# KiCad board ddr4-datacenter-tester.kicad_pcb (continued)
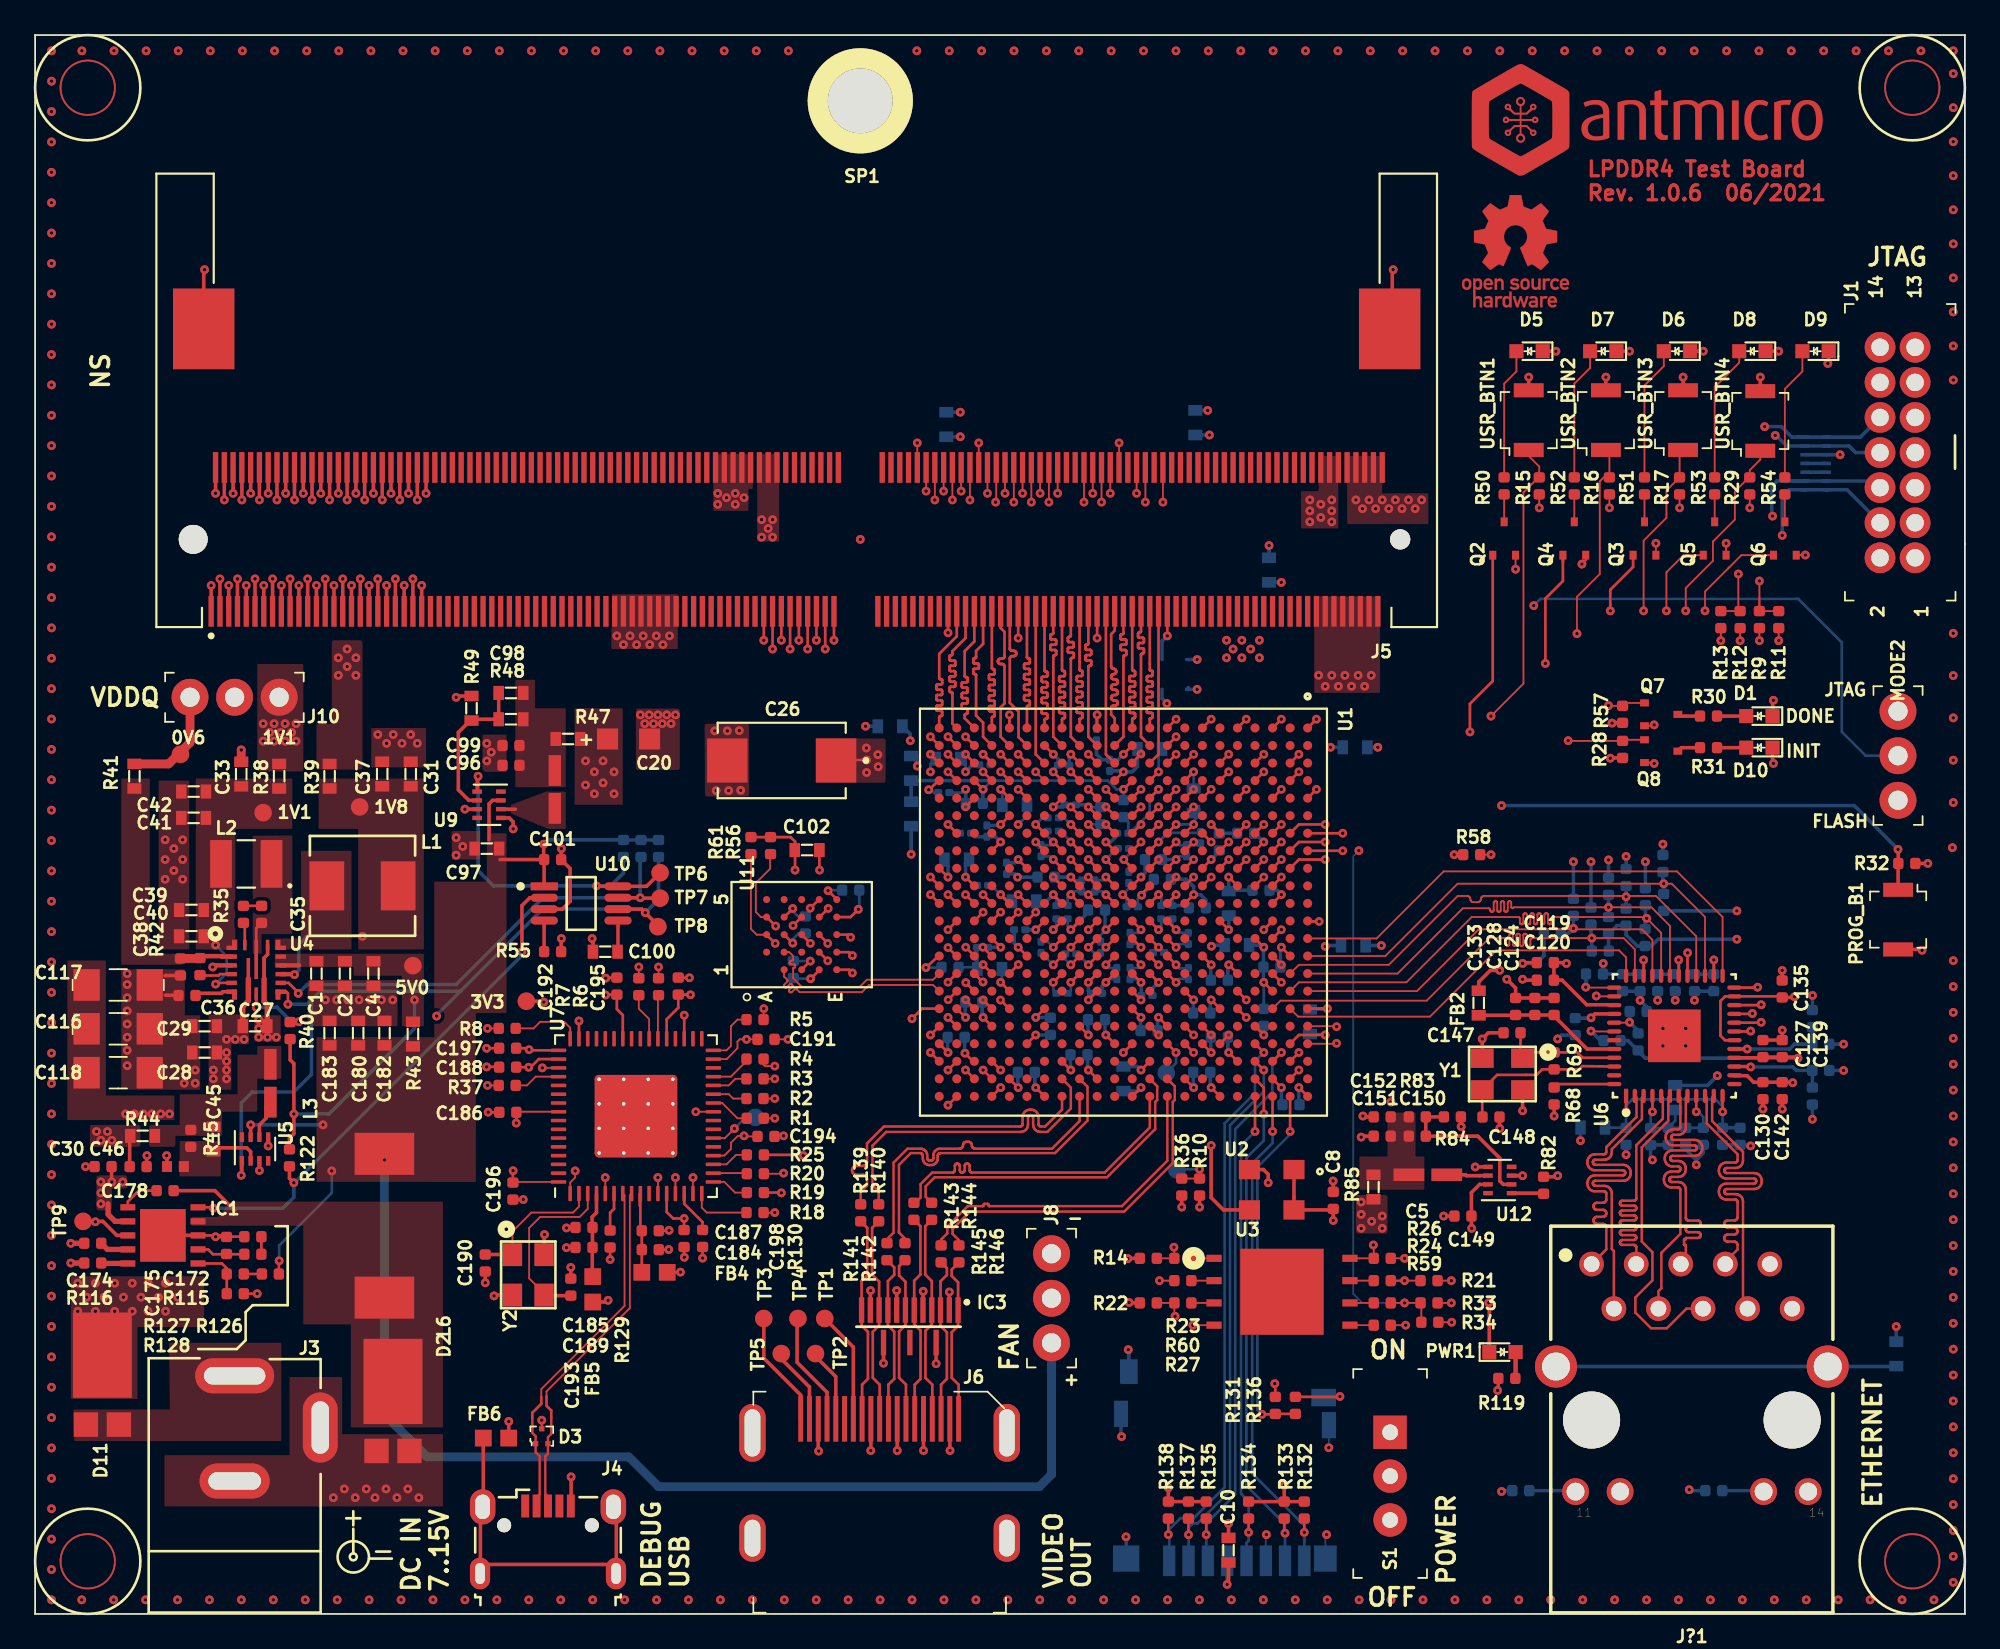
[diagram p0: board, top side]
## Routing (per net, layer and track width the routed paths; a pad name or vN(x,y) marks a point on that pad's centre or on a via; arc(x,y) is an arc through that point) (continued)
CA3_A: length 19.2
  Top w0.1: J5.160 v4(51.79,64)
  Top w0.15: U1.AA3 v4(52.04,49)
  In2.Cu w0.1: v4(51.79,64) 51.79,62.93 51.39,62.53 51.39,53.63 51.38,53.61 51.38,53.59 51.36,53.57 51.35,53.55 51.33,53.54 51.31,53.53 51.29,53.53 51.26,53.53 51.24,53.53 51.22,53.52 51.2,53.51 51.18,53.49 51.17,53.47 51.16,53.45 51.16,53.43 51.16,53.41 51.17,53.39 51.18,53.37 51.2,53.35 51.22,53.34 51.24,53.33 51.26,53.33 51.51,53.33 51.54,53.33 51.56,53.32 51.58,53.31 51.59,53.29 51.6,53.27 51.61,53.25 51.61,53.23 51.61,53.21 51.6,53.19 51.59,53.17 51.58,53.15 51.56,53.14 51.54,53.13 51.51,53.13 51.26,53.13 51.24,53.13 51.22,53.12 51.2,53.11 51.18,53.09 51.17,53.07 51.16,53.05 51.16,53.03 51.16,53.01 51.17,52.99 51.18,52.97 51.2,52.95 51.22,52.94 51.24,52.93 51.26,52.93 51.51,52.93 51.54,52.93 51.56,52.92 51.58,52.91 51.59,52.89 51.6,52.87 51.61,52.85 51.61,52.83 51.61,52.81 51.6,52.79 51.59,52.77 51.58,52.75 51.56,52.74 51.54,52.73 51.51,52.73 51.26,52.73 51.24,52.73 51.22,52.72 51.2,52.71 51.18,52.69 51.17,52.67 51.16,52.65 51.16,52.63 51.16,52.61 51.17,52.59 51.18,52.57 51.2,52.55 51.22,52.54 51.24,52.53 51.26,52.53 51.29,52.53 51.31,52.53 51.33,52.52 51.35,52.51 51.36,52.49 51.38,52.47 51.38,52.45 51.39,52.43 51.39,51.53 52.04,50.88 v4(52.04,49)
CA4_A: length 19.2
  Top w0.1: J5.158 v4(51.29,63.5)
  Top w0.15: U1.AB3 v4(51.04,49)
  In2.Cu w0.1: v4(51.04,49) 51.54,49.5 51.54,50.48 50.69,51.33 50.69,53.83 50.69,53.85 50.7,53.87 50.71,53.89 50.72,53.91 50.74,53.92 50.76,53.93 50.79,53.93 50.81,53.93 50.83,53.93 50.86,53.94 50.87,53.95 50.89,53.97 50.9,53.99 50.91,54.01 50.91,54.03 50.91,54.05 50.9,54.07 50.89,54.09 50.87,54.11 50.86,54.12 50.83,54.13 50.81,54.13 50.56,54.13 50.54,54.13 50.52,54.14 50.5,54.15 50.48,54.17 50.47,54.19 50.46,54.21 50.46,54.23 50.46,54.25 50.47,54.27 50.48,54.29 50.5,54.31 50.52,54.32 50.54,54.33 50.56,54.33 50.81,54.33 50.83,54.33 50.86,54.34 50.87,54.35 50.89,54.37 50.9,54.39 50.91,54.41 50.91,54.43 50.91,54.45 50.9,54.47 50.89,54.49 50.87,54.51 50.86,54.52 50.83,54.53 50.81,54.53 50.56,54.53 50.54,54.53 50.52,54.54 50.5,54.55 50.48,54.57 50.47,54.59 50.46,54.61 50.46,54.63 50.46,54.65 50.47,54.67 50.48,54.69 50.5,54.71 50.52,54.72 50.54,54.73 50.56,54.73 50.59,54.73 50.61,54.73 50.63,54.74 50.65,54.75 50.66,54.77 50.68,54.79 50.68,54.81 50.69,54.83 50.69,62.9 v4(51.29,63.5)
CA5_A: length 19.2
  Top w0.1: J5.156 v4(50.79,64)
  Top w0.15: U1.AB2 v4(51.04,50)
  In2.Cu w0.1: v4(51.04,50) 49.99,51.05 49.99,52.18 49.99,52.2 50,52.22 50.01,52.24 50.02,52.26 50.04,52.27 50.06,52.28 50.09,52.28 50.14,52.28 50.16,52.28 50.18,52.29 50.2,52.3 50.21,52.32 50.23,52.34 50.23,52.36 50.24,52.38 50.23,52.4 50.23,52.42 50.21,52.44 50.2,52.46 50.18,52.47 50.16,52.48 50.14,52.48 49.84,52.48 49.81,52.48 49.79,52.49 49.77,52.5 49.76,52.52 49.75,52.54 49.74,52.56 49.74,52.58 49.74,52.6 49.75,52.62 49.76,52.64 49.77,52.66 49.79,52.67 49.81,52.68 49.84,52.68 50.14,52.68 50.16,52.68 50.18,52.69 50.2,52.7 50.21,52.72 50.23,52.74 50.23,52.76 50.24,52.78 50.23,52.8 50.23,52.82 50.21,52.84 50.2,52.86 50.18,52.87 50.16,52.88 50.14,52.88 49.84,52.88 49.81,52.88 49.79,52.89 49.77,52.9 49.76,52.92 49.75,52.94 49.74,52.96 49.74,52.98 49.74,53 49.75,53.02 49.76,53.04 49.77,53.06 49.79,53.07 49.81,53.08 49.84,53.08 50.14,53.08 50.16,53.08 50.18,53.09 50.2,53.1 50.21,53.12 50.23,53.14 50.23,53.16 50.24,53.18 50.23,53.2 50.23,53.22 50.21,53.24 50.2,53.26 50.18,53.27 50.16,53.28 50.14,53.28 49.84,53.28 49.81,53.28 49.79,53.29 49.77,53.3 49.76,53.32 49.75,53.34 49.74,53.36 49.74,53.38 49.74,53.4 49.75,53.42 49.76,53.44 49.77,53.46 49.79,53.47 49.81,53.48 49.84,53.48 49.89,53.48 49.91,53.48 49.93,53.49 49.95,53.5 49.96,53.52 49.98,53.54 49.98,53.56 49.99,53.58 49.99,63.2 v4(50.79,64)
CA_0A: length 19.2
  Top w0.1: 62.79,65.23 v4(62.79,63.88)
  Top w0.15: 62.54,48.52 v4(63.04,49.02)
  In2.Cu w0.1: v4(62.79,63.88) 62.59,63.68 62.59,51.33 62.58,51.31 62.58,51.29 62.56,51.27 62.55,51.25 62.53,51.24 62.51,51.23 62.49,51.23 62.46,51.23 62.44,51.23 62.42,51.22 62.4,51.21 62.39,51.19 62.37,51.17 62.37,51.15 62.36,51.13 62.37,51.11 62.37,51.09 62.39,51.07 62.4,51.05 62.42,51.04 62.44,51.03 62.46,51.03 62.71,51.03 62.73,51.03 62.75,51.02 62.77,51.01 62.79,50.99 62.8,50.97 62.81,50.95 62.81,50.93 62.81,50.91 62.8,50.89 62.79,50.87 62.77,50.85 62.75,50.84 62.73,50.83 62.71,50.83 62.46,50.83 62.44,50.83 62.42,50.82 62.4,50.81 62.39,50.79 62.37,50.77 62.37,50.75 62.36,50.73 62.37,50.71 62.37,50.69 62.39,50.67 62.4,50.65 62.42,50.64 62.44,50.63 62.46,50.63 62.71,50.63 62.73,50.63 62.75,50.62 62.77,50.61 62.79,50.59 62.8,50.57 62.81,50.55 62.81,50.53 62.81,50.51 62.8,50.49 62.79,50.47 62.77,50.45 62.75,50.44 62.73,50.43 62.71,50.43 62.46,50.43 62.44,50.43 62.42,50.42 62.4,50.41 62.39,50.39 62.37,50.37 62.37,50.35 62.36,50.33 62.37,50.31 62.37,50.29 62.39,50.27 62.4,50.25 62.42,50.24 62.44,50.23 62.46,50.23 62.71,50.23 62.73,50.23 62.75,50.22 62.77,50.21 62.79,50.19 62.8,50.17 62.81,50.15 62.81,50.13 62.81,50.11 62.8,50.09 62.79,50.07 62.77,50.05 62.75,50.04 62.73,50.03 62.71,50.03 62.69,50.03 62.66,50.03 62.64,50.02 62.62,50.01 62.61,49.99 62.6,49.97 62.59,49.95 62.59,49.93 62.59,49.47 v4(63.04,49.02)
CA_1A: length 19.2
  Top w0.1: 63.29,65.23 v4(63.29,63.38)
  Top w0.15: v4(63.04,47.01) 62.54,46.51 U1.L5
  In2.Cu w0.1: v4(63.29,63.38) 63.29,49.83 63.53,49.59 63.53,47.5 v4(63.04,47.01)
CCLK: length 41.1
  Top w0.1: R34.1 79.01,17.69 78.97,17.73 v3(78.06,17.73) R24.2
  Top w0.15: U1.G7 v4(67.04,44)
  In2.Cu w0.1: v3(75.46,43.51) 74.99,43.04 74.25,43.04 73.79,43.5 67.54,43.5 v4(67.04,44)
  Bottom w0.1: v3(75.46,43.51) 75.14,43.19 75.14,18.24 75.65,17.73 v3(78.06,17.73)
CFGBVS: length 24.3
  Top w0.1: R58.2 v3(80.89,43.28)
  Top w0.15: U1.M7 v4(61.04,45)
  In2.Cu w0.1: v4(61.04,45) 64.54,41.5 66.24,41.5 67.54,40.2 77.1,40.2 80.18,43.28 v3(80.89,43.28)
CK_CA: length 19.2
  Top w0.1: J5.164 v4(52.79,64)
  Top w0.15: U1.Y2 v4(53.04,50)
  In2.Cu w0.1: v4(53.04,50) 53.04,51.58 53.03,51.61 53.03,51.63 53.01,51.65 52.99,51.67 52.97,51.68 52.95,51.69 52.92,51.69 52.79,51.69 52.77,51.7 52.75,51.7 52.72,51.72 52.71,51.73 52.69,51.76 52.69,51.78 52.68,51.8 52.69,51.83 52.69,51.85 52.71,51.88 52.72,51.89 52.75,51.91 52.77,51.91 52.79,51.92 52.92,51.92 52.95,51.92 52.97,51.93 52.99,51.94 53.01,51.96 53.03,51.98 53.03,52 53.04,52.03 53.03,52.06 53.03,52.08 53.01,52.1 52.99,52.12 52.97,52.13 52.95,52.14 52.92,52.14 52.79,52.14 52.77,52.15 52.75,52.15 52.72,52.17 52.71,52.18 52.69,52.21 52.69,52.23 52.68,52.25 52.69,52.28 52.69,52.3 52.71,52.33 52.72,52.34 52.75,52.36 52.77,52.36 52.79,52.37 52.92,52.37 52.95,52.37 52.97,52.38 52.99,52.39 53.01,52.41 53.03,52.43 53.03,52.45 53.04,52.48 53.03,52.51 53.03,52.53 53.01,52.55 52.99,52.57 52.97,52.58 52.95,52.59 52.92,52.59 52.79,52.59 52.77,52.6 52.75,52.6 52.72,52.62 52.71,52.63 52.69,52.66 52.69,52.68 52.68,52.7 52.69,52.73 52.69,52.75 52.71,52.78 52.72,52.79 52.75,52.81 52.77,52.81 52.79,52.82 52.92,52.82 52.95,52.82 52.97,52.83 52.99,52.84 53.01,52.86 53.03,52.88 53.03,52.9 53.04,52.93 53.03,52.96 53.03,52.98 53.01,53 52.99,53.02 52.97,53.03 52.95,53.04 52.92,53.04 52.79,53.04 52.77,53.05 52.75,53.05 52.72,53.07 52.71,53.08 52.69,53.11 52.69,53.13 52.68,53.15 52.69,53.18 52.69,53.2 52.71,53.23 52.72,53.24 52.75,53.26 52.77,53.26 52.79,53.27 52.92,53.27 52.95,53.27 52.97,53.28 52.99,53.29 53.01,53.31 53.03,53.33 53.03,53.35 53.04,53.38 53.03,53.41 53.03,53.43 53.01,53.45 52.99,53.47 52.97,53.48 52.95,53.49 52.92,53.49 52.79,53.49 52.77,53.5 52.75,53.5 52.72,53.52 52.71,53.53 52.69,53.56 52.69,53.58 52.68,53.6 52.69,53.63 52.69,53.65 52.71,53.68 52.72,53.69 52.75,53.71 52.77,53.71 52.79,53.72 52.92,53.72 52.95,53.72 52.97,53.73 52.99,53.74 53.01,53.76 53.03,53.78 53.03,53.8 53.04,53.83 53.03,53.86 53.03,53.88 53.01,53.9 52.99,53.92 52.97,53.93 52.95,53.94 52.92,53.94 52.79,53.94 52.77,53.95 52.75,53.95 52.72,53.97 52.71,53.98 52.69,54.01 52.69,54.03 52.68,54.05 52.69,54.08 52.69,54.1 52.71,54.13 52.72,54.14 52.75,54.16 52.77,54.16 52.79,54.17 52.92,54.17 52.95,54.17 52.97,54.18 52.99,54.19 53.01,54.21 53.03,54.23 53.03,54.25 53.04,54.28 53.04,62.83 52.79,63.08 v4(52.79,64)
CK_TA: length 19.2
  Top w0.1: J5.166 v4(53.29,63.5)
  Top w0.15: U1.Y3 v4(53.04,49)
  In2.Cu w0.1: v4(53.04,49) 53.49,49.45 53.49,50.22 53.29,50.42 53.29,54.48 53.29,54.51 53.3,54.53 53.31,54.55 53.33,54.57 53.35,54.58 53.37,54.59 53.4,54.59 53.51,54.59 53.54,54.6 53.56,54.6 53.58,54.62 53.6,54.63 53.61,54.66 53.62,54.68 53.62,54.7 53.62,54.73 53.61,54.75 53.6,54.78 53.58,54.79 53.56,54.81 53.54,54.81 53.51,54.82 53.4,54.82 53.37,54.82 53.35,54.83 53.33,54.84 53.31,54.86 53.3,54.88 53.29,54.9 53.29,54.93 53.29,54.96 53.3,54.98 53.31,55 53.33,55.02 53.35,55.03 53.37,55.04 53.4,55.04 53.51,55.04 53.54,55.05 53.56,55.05 53.58,55.07 53.6,55.08 53.61,55.11 53.62,55.13 53.62,55.15 53.62,55.18 53.61,55.2 53.6,55.23 53.58,55.24 53.56,55.26 53.54,55.26 53.51,55.27 53.4,55.27 53.37,55.27 53.35,55.28 53.33,55.29 53.31,55.31 53.3,55.33 53.29,55.35 53.29,55.38 53.29,55.41 53.3,55.43 53.31,55.45 53.33,55.47 53.35,55.48 53.37,55.49 53.4,55.49 53.51,55.49 53.54,55.5 53.56,55.5 53.58,55.52 53.6,55.53 53.61,55.56 53.62,55.58 53.62,55.6 53.62,55.63 53.61,55.65 53.6,55.68 53.58,55.69 53.56,55.71 53.54,55.71 53.51,55.72 53.4,55.72 53.37,55.72 53.35,55.73 53.33,55.74 53.31,55.76 53.3,55.78 53.29,55.8 53.29,55.83 53.29,55.86 53.3,55.88 53.31,55.9 53.33,55.92 53.35,55.93 53.37,55.94 53.4,55.94 53.51,55.94 53.54,55.95 53.56,55.95 53.58,55.97 53.6,55.98 53.61,56.01 53.62,56.03 53.62,56.05 53.62,56.08 53.61,56.1 53.6,56.13 53.58,56.14 53.56,56.16 53.54,56.16 53.51,56.17 53.4,56.17 53.37,56.17 53.35,56.18 53.33,56.19 53.31,56.21 53.3,56.23 53.29,56.25 53.29,56.28 v4(53.29,63.5)
CKE0_A: length 19.3
  Top w0.1: 60.79,65.23 v4(60.79,63.38)
  Top w0.15: U1.N4 v4(60.04,48)
  In2.Cu w0.1: v4(60.79,63.38) 60.79,51.93 61.04,51.68 61.04,50.93 61.03,50.91 61.03,50.89 61.02,50.87 61,50.86 60.98,50.84 60.96,50.84 60.92,50.83 60.9,50.83 60.88,50.81 60.87,50.8 60.86,50.78 60.85,50.76 60.85,50.74 60.85,50.73 60.85,50.71 60.86,50.69 60.87,50.67 60.88,50.66 60.9,50.64 60.92,50.64 60.94,50.64 61.04,50.64 61.04,50.63 61.13,50.63 61.15,50.63 61.17,50.62 61.19,50.61 61.21,50.59 61.22,50.58 61.22,50.56 61.23,50.54 61.23,50.52 61.22,50.5 61.22,50.48 61.21,50.47 61.19,50.45 61.17,50.44 61.15,50.43 61.13,50.43 60.94,50.43 60.92,50.43 60.9,50.42 60.88,50.41 60.87,50.39 60.86,50.38 60.85,50.36 60.85,50.34 60.85,50.32 60.85,50.3 60.86,50.28 60.87,50.27 60.88,50.25 60.9,50.24 60.92,50.23 60.96,50.23 60.98,50.22 61,50.21 61.02,50.19 61.03,50.18 61.03,50.16 61.04,50.14 61.04,49 v4(60.04,48)
CS0_A: length 19.2
  Top w0.1: 60.29,65.23 v4(60.29,63.88)
  Top w0.15: U1.N3 v4(60.04,49)
  In2.Cu w0.1: v4(60.04,49) 60.09,49.05 60.09,49.53 60.09,49.55 60.1,49.57 60.11,49.59 60.12,49.61 60.14,49.62 60.16,49.63 60.19,49.63 60.22,49.63 60.24,49.63 60.26,49.64 60.28,49.65 60.3,49.67 60.31,49.69 60.32,49.71 60.32,49.73 60.32,49.75 60.31,49.77 60.3,49.79 60.28,49.81 60.26,49.82 60.24,49.83 60.22,49.83 59.95,49.83 59.93,49.83 59.91,49.84 59.89,49.85 59.87,49.87 59.86,49.89 59.85,49.91 59.85,49.93 59.85,49.95 59.86,49.97 59.87,49.99 59.89,50.01 59.91,50.02 59.93,50.03 59.95,50.03 60.22,50.03 60.24,50.03 60.26,50.04 60.28,50.05 60.3,50.07 60.31,50.09 60.32,50.11 60.32,50.13 60.32,50.15 60.31,50.17 60.3,50.19 60.28,50.21 60.26,50.22 60.24,50.23 60.22,50.23 59.95,50.23 59.93,50.23 59.91,50.24 59.89,50.25 59.87,50.27 59.86,50.29 59.85,50.31 59.85,50.33 59.85,50.35 59.86,50.37 59.87,50.39 59.89,50.41 59.91,50.42 59.93,50.43 59.95,50.43 60.22,50.43 60.24,50.43 60.26,50.44 60.28,50.45 60.3,50.47 60.31,50.49 60.32,50.51 60.32,50.53 60.32,50.55 60.31,50.57 60.3,50.59 60.28,50.61 60.26,50.62 60.24,50.63 60.22,50.63 59.95,50.63 59.93,50.63 59.91,50.64 59.89,50.65 59.87,50.67 59.86,50.69 59.85,50.71 59.85,50.73 59.85,50.75 59.86,50.77 59.87,50.79 59.89,50.81 59.91,50.82 59.93,50.83 59.95,50.83 59.99,50.83 60.01,50.83 60.03,50.84 60.05,50.85 60.06,50.87 60.08,50.89 60.08,50.91 60.09,50.93 60.09,51.68 60.29,51.88 v4(60.29,63.88)
DBG_USB_N: length 19.7
  Top w0.1: U7.7 33.6,23.86 33.6,17.56 28.85,12.82 28.85,12.38
  Top w0.13: 28.34,11.16 28.34,10.32 28.53,10.13 D3.1 28.53,9.22 28.76,8.99 28.76,6.83 28.61,6.67
  Top w0.15: 28.85,12.38 28.85,11.98 28.34,11.47 28.34,11.16
DBG_USB_P: length 19.8
  Top w0.1: 29.15,12.25 29.15,12.69 33.9,17.44 33.9,23.86 U7.8
  Top w0.13: 29.42,11.17 29.42,10.26 29.23,10.07 D3.2 29.23,9.13 29.08,8.98 29.08,6.85 29.26,6.67
  Top w0.15: 29.15,12.4 29.15,11.86 29.42,11.59 29.42,11.17
DMI_0A: length 8.9
  Top w0.15: J5.197 61.04,49 U1.M3
DMI_1A: length 8.9
  Top w0.15: J5.171 54.54,53.93 54.54,53.92 54.54,53.9 54.55,53.88 54.57,53.87 54.58,53.86 54.6,53.86 54.64,53.85 54.65,53.85 54.67,53.84 54.68,53.82 54.69,53.81 54.7,53.79 54.7,53.77 54.7,53.63 54.7,53.62 54.69,53.6 54.68,53.58 54.67,53.57 54.65,53.56 54.64,53.56 54.62,53.55 54.45,53.55 54.44,53.55 54.42,53.55 54.4,53.54 54.39,53.52 54.38,53.51 54.38,53.49 54.37,53.47 54.37,53.33 54.38,53.32 54.38,53.3 54.39,53.28 54.4,53.27 54.42,53.26 54.44,53.26 54.45,53.25 54.62,53.25 54.64,53.25 54.65,53.25 54.67,53.24 54.68,53.22 54.69,53.21 54.7,53.19 54.7,53.17 54.7,53.03 54.7,53.02 54.69,53 54.68,52.98 54.67,52.97 54.65,52.96 54.64,52.96 54.62,52.95 54.45,52.95 54.44,52.95 54.42,52.95 54.4,52.94 54.39,52.92 54.38,52.91 54.38,52.89 54.37,52.87 54.37,52.73 54.38,52.72 54.38,52.7 54.39,52.68 54.4,52.67 54.42,52.66 54.44,52.66 54.45,52.65 54.62,52.65 54.64,52.65 54.65,52.65 54.67,52.64 54.68,52.62 54.69,52.61 54.7,52.59 54.7,52.57 54.7,52.43 54.7,52.42 54.69,52.4 54.68,52.38 54.67,52.37 54.65,52.36 54.64,52.36 54.62,52.35 54.45,52.35 54.44,52.35 54.42,52.35 54.4,52.34 54.39,52.32 54.38,52.31 54.38,52.29 54.37,52.27 54.37,52.13 54.38,52.12 54.38,52.1 54.39,52.08 54.4,52.07 54.42,52.06 54.44,52.06 54.45,52.05 54.62,52.05 54.64,52.05 54.65,52.05 54.67,52.04 54.68,52.02 54.69,52.01 54.7,51.99 54.7,51.97 54.7,51.83 54.7,51.82 54.69,51.8 54.68,51.78 54.67,51.77 54.65,51.76 54.64,51.76 54.62,51.75 54.45,51.75 54.44,51.75 54.42,51.75 54.4,51.74 54.39,51.72 54.38,51.71 54.38,51.69 54.37,51.67 54.37,51.53 54.38,51.52 54.38,51.5 54.39,51.48 54.4,51.47 54.42,51.46 54.44,51.46 54.45,51.45 54.54,51.45 54.54,51.45 54.62,51.45 54.64,51.45 54.65,51.44 54.67,51.43 54.68,51.42 54.69,51.41 54.7,51.39 54.7,51.37 54.7,51.23 54.7,51.21 54.69,51.2 54.68,51.18 54.67,51.17 54.65,51.16 54.64,51.15 54.6,51.15 54.58,51.14 54.57,51.13 54.55,51.12 54.54,51.11 54.54,51.09 54.54,51.07 U1.W1
DONE: length 41.4
  Top w0.1: Q7.1 90.65,51.93 R57.2 89.7,51.76 v3(89.69,51.78)
  Top w0.15: U1.P6 v4(59.04,46)
  In2.Cu w0.1: v3(89.69,51.78) 88.79,51.78 88.29,51.28 88.29,49.68 84.19,45.58 82.12,45.58 77.05,40.5 67.6,40.5 66.35,41.75 64.94,41.75 61.24,45.45 59.59,45.45 v4(59.04,46)
DQ00_A: length 8.9
  Top w0.15: U1.L1 62.54,50.98 62.54,51 62.54,51.02 62.55,51.03 62.57,51.04 62.58,51.05 62.6,51.06 62.64,51.06 62.65,51.07 62.67,51.08 62.68,51.09 62.69,51.11 62.7,51.12 62.7,51.14 62.7,51.28 62.7,51.3 62.69,51.32 62.68,51.33 62.67,51.34 62.65,51.35 62.64,51.36 62.62,51.36 62.54,51.36 62.54,51.36 62.45,51.36 62.44,51.37 62.42,51.37 62.4,51.38 62.39,51.39 62.38,51.41 62.38,51.43 62.37,51.44 62.37,51.58 62.38,51.6 62.38,51.62 62.39,51.63 62.4,51.65 62.42,51.66 62.44,51.66 62.45,51.66 62.62,51.66 62.64,51.67 62.65,51.67 62.67,51.68 62.68,51.69 62.69,51.71 62.7,51.73 62.7,51.74 62.7,51.88 62.7,51.9 62.69,51.92 62.68,51.93 62.67,51.95 62.65,51.96 62.64,51.96 62.62,51.96 62.45,51.96 62.44,51.97 62.42,51.97 62.4,51.98 62.39,51.99 62.38,52.01 62.38,52.03 62.37,52.04 62.37,52.18 62.38,52.2 62.38,52.22 62.39,52.23 62.4,52.25 62.42,52.26 62.44,52.26 62.45,52.26 62.62,52.26 62.64,52.27 62.65,52.27 62.67,52.28 62.68,52.29 62.69,52.31 62.7,52.33 62.7,52.34 62.7,52.48 62.7,52.5 62.69,52.52 62.68,52.53 62.67,52.55 62.65,52.56 62.64,52.56 62.62,52.56 62.45,52.56 62.44,52.57 62.42,52.57 62.4,52.58 62.39,52.59 62.38,52.61 62.38,52.63 62.37,52.64 62.37,52.78 62.38,52.8 62.38,52.82 62.39,52.83 62.4,52.85 62.42,52.86 62.44,52.86 62.45,52.86 62.62,52.86 62.64,52.87 62.65,52.87 62.67,52.88 62.68,52.89 62.69,52.91 62.7,52.93 62.7,52.94 62.7,53.08 62.7,53.1 62.69,53.12 62.68,53.13 62.67,53.15 62.65,53.16 62.64,53.16 62.62,53.16 62.45,53.16 62.44,53.17 62.42,53.17 62.4,53.18 62.39,53.19 62.38,53.21 62.38,53.23 62.37,53.24 62.37,53.38 62.38,53.4 62.38,53.42 62.39,53.43 62.4,53.45 62.42,53.46 62.44,53.46 62.45,53.46 62.62,53.46 62.64,53.47 62.65,53.47 62.67,53.48 62.68,53.49 62.69,53.51 62.7,53.53 62.7,53.54 62.7,53.68 62.7,53.7 62.69,53.72 62.68,53.73 62.67,53.75 62.65,53.76 62.64,53.76 62.6,53.77 62.58,53.77 62.57,53.78 62.55,53.79 62.54,53.81 62.54,53.83 62.54,53.84 J5.203
DQ01_A: length 8.9
  Top w0.15: 63.02,57.13 J5.205 63.04,56.03 63.03,56.01 63.03,55.99 63.02,55.98 63,55.96 62.99,55.95 62.97,55.95 62.93,55.94 62.92,55.94 62.9,55.93 62.89,55.92 62.88,55.9 62.87,55.88 62.87,55.86 62.87,55.73 62.87,55.71 62.88,55.69 62.89,55.68 62.9,55.66 62.92,55.65 62.93,55.65 62.95,55.65 63.12,55.65 63.14,55.64 63.16,55.64 63.17,55.63 63.18,55.62 63.19,55.6 63.2,55.58 63.2,55.56 63.2,55.43 63.2,55.41 63.19,55.39 63.18,55.38 63.17,55.36 63.16,55.35 63.14,55.35 63.12,55.35 62.95,55.35 62.93,55.34 62.92,55.34 62.9,55.33 62.89,55.32 62.88,55.3 62.87,55.28 62.87,55.26 62.87,55.13 62.87,55.11 62.88,55.09 62.89,55.08 62.9,55.06 62.92,55.05 62.93,55.05 62.95,55.05 63.12,55.05 63.14,55.04 63.16,55.04 63.17,55.03 63.18,55.02 63.19,55 63.2,54.98 63.2,54.96 63.2,54.83 63.2,54.81 63.19,54.79 63.18,54.78 63.17,54.76 63.16,54.75 63.14,54.75 63.1,54.74 63.08,54.74 63.07,54.73 63.05,54.72 63.04,54.7 63.04,54.68 63.04,54.66 63.04,50 U1.K2
DQ02_A: length 8.9
  Top w0.15: J5.207 63.54,53.84 63.54,53.83 63.54,53.81 63.55,53.79 63.57,53.78 63.58,53.77 63.6,53.77 63.64,53.76 63.65,53.76 63.67,53.75 63.68,53.73 63.69,53.72 63.7,53.7 63.7,53.68 63.7,53.54 63.7,53.53 63.69,53.51 63.68,53.49 63.67,53.48 63.65,53.47 63.64,53.47 63.62,53.46 63.45,53.46 63.44,53.46 63.42,53.46 63.4,53.45 63.39,53.43 63.38,53.42 63.38,53.4 63.37,53.38 63.37,53.24 63.38,53.23 63.38,53.21 63.39,53.19 63.4,53.18 63.42,53.17 63.44,53.17 63.45,53.16 63.62,53.16 63.64,53.16 63.65,53.16 63.67,53.15 63.68,53.13 63.69,53.12 63.7,53.1 63.7,53.08 63.7,52.94 63.7,52.93 63.69,52.91 63.68,52.89 63.67,52.88 63.65,52.87 63.64,52.87 63.62,52.86 63.45,52.86 63.44,52.86 63.42,52.86 63.4,52.85 63.39,52.83 63.38,52.82 63.38,52.8 63.37,52.78 63.37,52.64 63.38,52.63 63.38,52.61 63.39,52.59 63.4,52.58 63.42,52.57 63.44,52.57 63.45,52.56 63.62,52.56 63.64,52.56 63.65,52.56 63.67,52.55 63.68,52.53 63.69,52.52 63.7,52.5 63.7,52.48 63.7,52.34 63.7,52.33 63.69,52.31 63.68,52.29 63.67,52.28 63.65,52.27 63.64,52.27 63.62,52.26 63.45,52.26 63.44,52.26 63.42,52.26 63.4,52.25 63.39,52.23 63.38,52.22 63.38,52.2 63.37,52.18 63.37,52.04 63.38,52.03 63.38,52.01 63.39,51.99 63.4,51.98 63.42,51.97 63.44,51.97 63.45,51.96 63.62,51.96 63.64,51.96 63.65,51.96 63.67,51.95 63.68,51.93 63.69,51.92 63.7,51.9 63.7,51.88 63.7,51.74 63.7,51.73 63.69,51.71 63.68,51.69 63.67,51.68 63.65,51.67 63.64,51.67 63.62,51.66 63.45,51.66 63.44,51.66 63.42,51.66 63.4,51.65 63.39,51.63 63.38,51.62 63.38,51.6 63.37,51.58 63.37,51.44 63.38,51.43 63.38,51.41 63.39,51.39 63.4,51.38 63.42,51.37 63.44,51.37 63.45,51.36 63.54,51.36 63.54,51.36 63.62,51.36 63.64,51.36 63.65,51.35 63.67,51.34 63.68,51.33 63.69,51.32 63.7,51.3 63.7,51.28 63.7,51.14 63.7,51.12 63.69,51.11 63.68,51.09 63.67,51.08 63.65,51.07 63.64,51.06 63.6,51.06 63.58,51.05 63.57,51.04 63.55,51.03 63.54,51.02 63.54,51 63.54,50.98 U1.K1
DQ03_A: length 8.9
  Top w0.15: U1.K3 64.04,49 J5.209
DQ04_A: length 8.9
  Top w0.15: J5.187 58.54,53.83 58.54,53.82 58.54,53.8 58.55,53.78 58.57,53.77 58.58,53.76 58.6,53.76 58.64,53.75 58.65,53.75 58.67,53.74 58.68,53.72 58.69,53.71 58.7,53.69 58.7,53.67 58.7,53.53 58.7,53.52 58.69,53.5 58.68,53.48 58.67,53.47 58.65,53.46 58.64,53.46 58.62,53.45 58.45,53.45 58.44,53.45 58.42,53.45 58.4,53.44 58.39,53.42 58.38,53.41 58.38,53.39 58.37,53.37 58.37,53.23 58.38,53.22 58.38,53.2 58.39,53.18 58.4,53.17 58.42,53.16 58.44,53.16 58.45,53.15 58.62,53.15 58.64,53.15 58.65,53.15 58.67,53.14 58.68,53.12 58.69,53.11 58.7,53.09 58.7,53.07 58.7,52.93 58.7,52.92 58.69,52.9 58.68,52.88 58.67,52.87 58.65,52.86 58.64,52.86 58.62,52.85 58.45,52.85 58.44,52.85 58.42,52.85 58.4,52.84 58.39,52.82 58.38,52.81 58.38,52.79 58.37,52.77 58.37,52.63 58.38,52.62 58.38,52.6 58.39,52.58 58.4,52.57 58.42,52.56 58.44,52.56 58.45,52.55 58.62,52.55 58.64,52.55 58.65,52.55 58.67,52.54 58.68,52.52 58.69,52.51 58.7,52.49 58.7,52.47 58.7,52.33 58.7,52.32 58.69,52.3 58.68,52.28 58.67,52.27 58.65,52.26 58.64,52.26 58.62,52.25 58.45,52.25 58.44,52.25 58.42,52.25 58.4,52.24 58.39,52.22 58.38,52.21 58.38,52.19 58.37,52.17 58.37,52.03 58.38,52.02 58.38,52 58.39,51.98 58.4,51.97 58.42,51.96 58.44,51.96 58.45,51.95 58.62,51.95 58.64,51.95 58.65,51.95 58.67,51.94 58.68,51.92 58.69,51.91 58.7,51.89 58.7,51.87 58.7,51.73 58.7,51.72 58.69,51.7 58.68,51.68 58.67,51.67 58.65,51.66 58.64,51.66 58.62,51.65 58.45,51.65 58.44,51.65 58.42,51.65 58.4,51.64 58.39,51.62 58.38,51.61 58.38,51.59 58.37,51.57 58.37,51.43 58.38,51.42 58.38,51.4 58.39,51.38 58.4,51.37 58.42,51.36 58.44,51.36 58.45,51.35 58.54,51.35 58.54,51.35 58.62,51.35 58.64,51.35 58.65,51.34 58.67,51.33 58.68,51.32 58.69,51.31 58.7,51.29 58.7,51.27 58.7,51.13 58.7,51.11 58.69,51.1 58.68,51.08 58.67,51.07 58.65,51.06 58.64,51.05 58.6,51.05 58.58,51.04 58.57,51.03 58.55,51.02 58.54,51.01 58.54,50.99 58.54,50.97 U1.R1
DQ05_A: length 8.8
  Top w0.15: J5.189 59.04,55.78 59.03,55.76 59.03,55.74 59.02,55.73 59,55.71 58.99,55.7 58.97,55.7 58.93,55.69 58.92,55.69 58.9,55.68 58.89,55.67 58.88,55.65 58.87,55.63 58.87,55.61 58.87,55.48 58.87,55.46 58.88,55.44 58.89,55.43 58.9,55.41 58.92,55.4 58.93,55.4 58.95,55.4 59.12,55.4 59.14,55.39 59.16,55.39 59.17,55.38 59.18,55.37 59.19,55.35 59.2,55.33 59.2,55.31 59.2,55.18 59.2,55.16 59.19,55.14 59.18,55.13 59.17,55.11 59.16,55.1 59.14,55.1 59.12,55.1 58.95,55.1 58.93,55.09 58.92,55.09 58.9,55.08 58.89,55.07 58.88,55.05 58.87,55.03 58.87,55.01 58.87,54.88 58.87,54.86 58.88,54.84 58.89,54.83 58.9,54.81 58.92,54.8 58.93,54.8 58.95,54.8 59.12,54.8 59.14,54.79 59.16,54.79 59.17,54.78 59.18,54.77 59.19,54.75 59.2,54.73 59.2,54.71 59.2,54.58 59.2,54.56 59.19,54.54 59.18,54.53 59.17,54.51 59.16,54.5 59.14,54.5 59.1,54.49 59.08,54.49 59.07,54.48 59.05,54.47 59.04,54.45 59.04,54.43 59.04,54.41 59.04,50 U1.P2
DQ06_A: length 8.9
  Top w0.15: J5.191 59.54,53.84 59.54,53.83 59.54,53.81 59.55,53.79 59.57,53.78 59.58,53.77 59.6,53.77 59.64,53.76 59.65,53.76 59.67,53.75 59.68,53.73 59.69,53.72 59.7,53.7 59.7,53.68 59.7,53.54 59.7,53.53 59.69,53.51 59.68,53.49 59.67,53.48 59.65,53.47 59.64,53.47 59.62,53.46 59.45,53.46 59.44,53.46 59.42,53.46 59.4,53.45 59.39,53.43 59.38,53.42 59.38,53.4 59.37,53.38 59.37,53.24 59.38,53.23 59.38,53.21 59.39,53.19 59.4,53.18 59.42,53.17 59.44,53.17 59.45,53.16 59.62,53.16 59.64,53.16 59.65,53.16 59.67,53.15 59.68,53.13 59.69,53.12 59.7,53.1 59.7,53.08 59.7,52.94 59.7,52.93 59.69,52.91 59.68,52.89 59.67,52.88 59.65,52.87 59.64,52.87 59.62,52.86 59.45,52.86 59.44,52.86 59.42,52.86 59.4,52.85 59.39,52.83 59.38,52.82 59.38,52.8 59.37,52.78 59.37,52.64 59.38,52.63 59.38,52.61 59.39,52.59 59.4,52.58 59.42,52.57 59.44,52.57 59.45,52.56 59.62,52.56 59.64,52.56 59.65,52.56 59.67,52.55 59.68,52.53 59.69,52.52 59.7,52.5 59.7,52.48 59.7,52.34 59.7,52.33 59.69,52.31 59.68,52.29 59.67,52.28 59.65,52.27 59.64,52.27 59.62,52.26 59.45,52.26 59.44,52.26 59.42,52.26 59.4,52.25 59.39,52.23 59.38,52.22 59.38,52.2 59.37,52.18 59.37,52.04 59.38,52.03 59.38,52.01 59.39,51.99 59.4,51.98 59.42,51.97 59.44,51.97 59.45,51.96 59.62,51.96 59.64,51.96 59.65,51.96 59.67,51.95 59.68,51.93 59.69,51.92 59.7,51.9 59.7,51.88 59.7,51.74 59.7,51.73 59.69,51.71 59.68,51.69 59.67,51.68 59.65,51.67 59.64,51.67 59.62,51.66 59.45,51.66 59.44,51.66 59.42,51.66 59.4,51.65 59.39,51.63 59.38,51.62 59.38,51.6 59.37,51.58 59.37,51.44 59.38,51.43 59.38,51.41 59.39,51.39 59.4,51.38 59.42,51.37 59.44,51.37 59.45,51.36 59.54,51.36 59.54,51.36 59.62,51.36 59.64,51.36 59.65,51.35 59.67,51.34 59.68,51.33 59.69,51.32 59.7,51.3 59.7,51.28 59.7,51.14 59.7,51.12 59.69,51.11 59.68,51.09 59.67,51.08 59.65,51.07 59.64,51.06 59.6,51.06 59.58,51.05 59.57,51.04 59.55,51.03 59.54,51.02 59.54,51 59.54,50.98 U1.P1
DQ07_A: length 8.8
  Top w0.15: U1.N2 60.04,50 60.04,53.97 60.04,53.99 60.04,54.01 60.05,54.03 60.07,54.04 60.08,54.05 60.1,54.05 60.14,54.06 60.16,54.06 60.17,54.07 60.18,54.09 60.19,54.1 60.2,54.12 60.2,54.14 60.2,54.27 60.2,54.29 60.19,54.31 60.18,54.33 60.17,54.34 60.16,54.35 60.14,54.35 60.12,54.36 59.95,54.36 59.93,54.36 59.92,54.36 59.9,54.37 59.89,54.39 59.88,54.4 59.87,54.42 59.87,54.44 59.87,54.57 59.87,54.59 59.88,54.61 59.89,54.63 59.9,54.64 59.92,54.65 59.93,54.65 59.95,54.66 60.12,54.66 60.14,54.66 60.16,54.66 60.17,54.67 60.18,54.69 60.19,54.7 60.2,54.72 60.2,54.74 60.2,54.87 60.2,54.89 60.19,54.91 60.18,54.93 60.17,54.94 60.16,54.95 60.14,54.95 60.12,54.96 59.95,54.96 59.93,54.96 59.92,54.96 59.9,54.97 59.89,54.99 59.88,55 59.87,55.02 59.87,55.04 59.87,55.17 59.87,55.19 59.88,55.21 59.89,55.23 59.9,55.24 59.92,55.25 59.93,55.25 59.97,55.26 59.99,55.26 60,55.27 60.02,55.29 60.03,55.3 60.03,55.32 60.04,55.34 J5.193